# KiCad board Rogelio Pineda part 2v2-AMLDC-2044B.kicad_pcb (continued)
## Library data of the parts
C1-C5 C7-C72 = -: Description: Capacitor Common Entrex Trapezoid
C6 = -: Description: Capacitor Large Polarized for Entrex Trapezoid
CR1 = -: Description: 50V 1A General Purpose Rectifier Diode, DO-41; Sim.Device: D; Sim.Pins: 1=K 2=A
CR2 CR3 = -: Description: 50V 1A General Purpose Rectifier Diode, DO-41; Sim.Device: D; Sim.Pins: 1=K 2=A; Field6: K; Field8: K
CR4 CR5 = -: Description: 50V 1A General Purpose Rectifier Diode, DO-41; Sim.Device: D; Sim.Pins: 1=K 2=A; Field6: K; Field7: K
JP1-JP8 = -: Description: Jumper, 2-pole, open
Q1 = -: Description: Bipolar transistor symbol for simulation only, substrate tied to the emitter; Sim.Device: PNP; Sim.Pins: 1=C 2=B 3=E; Sim.Type: GUMMELPOON
R1-R51 R53-R94 = -: Description: Resistor, US symbol
UB1 UL2 = -: Description: quad 2-input NAND buffer
UB2 UD0-UD2 UD6 UE0 UJ3 UJ6 = -: Description: Triple 3-input NAND
UB3 UC1 UC4 UC8 UE6 UF6 UG7 UH1-UH3 UH6 UK2 UK7 UM5 UV7 = -: Description: quad 2-input NAND gate
UB4 UC2 UD3 UD5 UG4 UH4 UJ7 UK6 = -: Description: Dual retriggerable Monostable
UB5 UC5 UE4 UG2 UG8 UK8 UM6 UN6 = -: Description: quad 2-input NOR gate
UB6 UG1 UJ0 UL0 UL3 UM0 UM3 UP0 UP1 UP3 UR0 UR3 US0 US3 UT0 UT1 UT3 UU0 UU3 UV0 UV3 = -: Description: Quad Buffer 2-input NAND Open collector
UB7 UG6 UL6 = -: Description: Quad 2-input OR
UB8 UP7 UR7 US7 UT7 = -: Description: Divide by 2 & 8 counter
UC0 UF0 UH0 UN0 UN3 UV2 UW0 UW3 = -: Description: Hex Inverter
UC3 UC6 UC7 UD4 UD7 UD8 UE1-UE3 UF4 UF5 UF7 UG5 UH5 UH7 UJ1 UJ2 UK1 UL7 UM7 UP6 UR6 US6 UT6 UV6 = -: Description: Dual D Flip-flop, Set & Reset
UE5 UE8 UK0 = -: Description: Quad And2
UE7 UP5 UT2 = -: Description: Dual 4-input NOR gates
UF1 = -: Description: Hex inverter schmitt trigger
UF2 UP2 UW6 = -: Description: Inverter Open Collect
UF3 = -: Description: Dual 8-Bit Shift Register
UF8 UN7 = -: Description: Dual 4-input NAND
UG0 = -: Description: 8-input NAND
UG3 UU2 = -: Description: Quad 2-input XOR
UK5 = -: Description: Hex Buffers and Drivers With Open Collector High Voltage Outputs
UL1 UL4 UM1 UM4 UU1 UU4 UV1 = -: Description: 4 (3+1)-bit presettable binary counter
UL5 = -: Description: Dual 1-of-4 Decoder
UM2 UN5 = -: Description: Shift Register 8-bit, parallel load
UM8 = -: Description: Dual JK Flip-flop, Set & Reset
UN1 UN2 UN4 UR1 UR2 UR4 US1 US4 UW1 UW2 UW4 = -: Description: 4-bit Latch
UP4 = -: Description: 2-INPUT, 4-BIT DIGITAL MULTIPLEXER
UU5 = -: Description: Dual 4-input AND
UV5 UW5 = -: Description: 4-bit D Flip-Flop, reset
Y1 = -: Description: Two pin crystal

## Footprints (pads in the part's own frame, mm; a bottom-side part is the same pattern mirrored in y, then rotated)
CAP non-polarized P25.00mm
  rect 2.4x2.4 hole 1.2: 1(0,0)
  oval 2.4x2.4 hole 1.2: 2(25,0)
Crystal_HC49-U_Horizontal_1EP_style1
  round 1.5 hole 0.8: 1(0,0) 2(4.9,0)
  rect 11x13.5 smd: 3(2.45,-9.25)
D_DO-41_SOD81_P12.70mm_Horizontal
  rect 2.2x2.2 hole 1.1: 1(0,0)
  oval 2.2x2.2 hole 1.1: 2(12.7,0)
DG Nova Board Jumper 3.8mm
  rect 1.7x1.7 hole 1: 1(-1.27,0)
  oval 1.7x1.7 hole 1: 2(2.54,0)
DG Nova Board Jumper 5mm
  rect 1.7x1.7 hole 1: 1(-1.27,0)
  oval 1.7x1.7 hole 1: 2(3.81,0)
Diode for Entrex-AMLDC Board
  rect 2.2x2.2 hole 1.1: 1(0,0)
  oval 2.2x2.2 hole 1.1: 2(13.97,0)
DIP-14_W7.62mm
  rect 1.6x1.6 hole 0.8: 1(0,0)
  oval 1.6x1.6 hole 0.8: 2(0,-2.54) 3(0,-5.08) 4(0,-7.62) 5(0,-10.16) 6(0,-12.7) 7(0,-15.24) 8(7.62,-15.24) 9(7.62,-12.7) 10(7.62,-10.16) 11(7.62,-7.62) 12(7.62,-5.08) 13(7.62,-2.54) 14(7.62,0)
DIP-16_W7.62mm
  rect 1.6x1.6 hole 0.8: 1(0,0)
  oval 1.6x1.6 hole 0.8: 2(0,-2.54) 3(0,-5.08) 4(0,-7.62) 5(0,-10.16) 6(0,-12.7) 7(0,-15.24) 8(0,-17.78) 9(7.62,-17.78) 10(7.62,-15.24) 11(7.62,-12.7) 12(7.62,-10.16) 13(7.62,-7.62) 14(7.62,-5.08) 15(7.62,-2.54) 16(7.62,0)
Disc Capacitor Common Entrex Trapezoid
  round 1.6 hole 0.8: 1(-2.54,-0.215) 2(3.81,-0.215)
portA_NovaMod
  rect 7.62x1.905 smd: 1(75.755,75.755) 3(75.755,72.581) 5(75.755,69.406) 7(75.755,66.231) 9(75.755,63.056) 11(75.755,59.88) 13(75.755,56.706) 15(75.755,53.531) 17(75.755,50.355) 19(75.755,47.181) 21(75.755,44.005) 23(75.755,40.831) 25(75.755,37.656) 27(75.755,34.48) 29(75.755,31.305) 31(75.755,28.131) 33(75.755,24.956) 35(75.755,21.78) 37(75.755,18.605) 39(75.755,15.431) 41(75.755,12.255) 43(75.755,9.081) 45(75.755,5.905) 51(75.755,-3.619) 53(75.755,-6.795) 55(75.755,-9.97) 57(75.755,-13.145) 59(75.755,-16.32) 61(75.755,-19.494) 63(75.755,-22.669) 65(75.755,-25.845) 67(75.755,-29.02) 69(75.755,-32.194) 71(75.755,-35.37) 73(75.755,-38.544) 75(75.755,-41.719) 77(75.755,-44.895) 79(75.755,-48.069) 81(75.755,-51.245) 83(75.755,-54.419) 85(75.755,-57.594) 87(75.755,-60.77) 89(75.755,-63.944) 91(75.755,-67.12) 93(75.755,-70.294) 95(75.755,-73.469) 97(75.755,-76.644) 99(75.755,-79.82)
  rect 7.62x1.905 smd far side: 2(75.755,75.755) 4(75.755,72.581) 6(75.755,69.406) 8(75.755,66.231) 10(75.755,63.056) 12(75.755,59.88) 14(75.755,56.706) 16(75.755,53.531) 18(75.755,50.355) 20(75.755,47.181) 22(75.755,44.005) 24(75.755,40.831) 26(75.755,37.656) 28(75.755,34.48) 30(75.755,31.305) 32(75.755,28.131) 34(75.755,24.956) 36(75.755,21.78) 38(75.755,18.605) 40(75.755,15.431) 42(75.755,12.255) 44(75.755,9.081) 46(75.755,5.905) 52(75.755,-3.619) 54(75.755,-6.795) 56(75.755,-9.97) 58(75.755,-13.145) 60(75.755,-16.32) 62(75.755,-19.494) 64(75.755,-22.669) 66(75.755,-25.845) 68(75.755,-29.02) 70(75.755,-32.194) 72(75.755,-35.37) 74(75.755,-38.544) 76(75.755,-41.719) 78(75.755,-44.895) 80(75.755,-48.069) 82(75.755,-51.245) 84(75.755,-54.419) 86(75.755,-57.594) 88(75.755,-60.77) 90(75.755,-63.944) 92(75.755,-67.12) 94(75.755,-70.294) 96(75.755,-73.469) 98(75.755,-76.644) 100(75.755,-79.82)
  rect 7.62x1.397 smd: 47(75.755,2.985) 49(75.755,-0.699)
  rect 7.62x1.397 smd far side: 48(75.755,2.985) 50(75.755,-0.699)
portB_NovaMod
  rect 7.62x1.905 smd: 1(73.343,75.248) 3(73.343,72.073) 5(73.343,68.897) 7(73.343,65.722) 9(73.343,62.547) 11(73.343,59.373) 13(73.343,56.197) 15(73.343,53.023) 17(73.343,49.847) 19(73.343,46.672) 21(73.343,43.498) 23(73.343,40.322) 25(73.343,37.148) 27(73.343,33.972) 29(73.343,30.797) 31(73.343,27.622) 33(73.343,24.448) 39(73.343,14.922) 41(73.343,11.748) 43(73.343,8.572) 45(73.343,5.397) 47(73.343,2.223) 49(73.343,-0.953) 51(73.343,-4.128) 53(73.343,-7.303) 55(73.343,-10.477) 57(73.343,-13.652) 59(73.343,-16.828) 61(73.343,-20.003) 63(73.343,-23.177) 65(73.343,-26.352) 67(73.343,-29.527) 69(73.343,-32.703) 71(73.343,-35.877) 73(73.343,-39.053) 75(73.343,-42.227) 77(73.343,-45.403) 79(73.343,-48.578) 81(73.343,-51.752) 83(73.343,-54.928) 85(73.343,-58.102) 87(73.343,-61.278) 89(73.343,-64.453) 91(73.343,-67.627) 93(73.343,-70.802) 95(73.343,-73.978) 97(73.343,-77.153) 99(73.343,-80.328)
  rect 7.62x1.905 smd far side: 2(73.343,75.248) 4(73.343,72.073) 6(73.343,68.897) 8(73.343,65.722) 10(73.343,62.547) 12(73.343,59.373) 14(73.343,56.197) 16(73.343,53.023) 18(73.343,49.847) 20(73.343,46.672) 22(73.343,43.498) 24(73.343,40.322) 26(73.343,37.148) 28(73.343,33.972) 30(73.343,30.797) 32(73.343,27.622) 34(73.343,24.448) 40(73.343,14.922) 42(73.343,11.748) 44(73.343,8.572) 46(73.343,5.397) 48(73.343,2.223) 50(73.343,-0.953) 52(73.343,-4.128) 54(73.343,-7.303) 56(73.343,-10.477) 58(73.343,-13.652) 60(73.343,-16.828) 62(73.343,-20.003) 64(73.343,-23.177) 66(73.343,-26.352) 68(73.343,-29.527) 70(73.343,-32.703) 72(73.343,-35.877) 74(73.343,-39.053) 76(73.343,-42.227) 78(73.343,-45.403) 80(73.343,-48.578) 82(73.343,-51.752) 84(73.343,-54.928) 86(73.343,-58.102) 88(73.343,-61.278) 90(73.343,-64.453) 92(73.343,-67.627) 94(73.343,-70.802) 96(73.343,-73.978) 98(73.343,-77.153) 100(73.343,-80.328)
  rect 7.62x1.397 smd: 35(73.343,21.526) 37(73.343,17.843)
  rect 7.62x1.397 smd far side: 36(73.343,21.526) 38(73.343,17.843)
R_Axial_DIN0411_L9.9mm_D3.6mm_P12.70mm_Horizontal
  round 2.4 hole 1.2: 1(0,0)
  oval 2.4x2.4 hole 1.2: 2(12.7,0)
Resistor for Entrex-AMLDC Board
  round 2.4 hole 1.2: 1(0,0)
  oval 2.4x2.4 hole 1.2: 2(13.97,0)
Resistor for Entrex-AMLDC Board#2
  round 2.4 hole 1.2: 1(0,0)
  oval 2.4x2.4 hole 1.2: 2(14.605,0)
TO-92
  rect 1.3x1.3 hole 0.75: 1(0,0)
  round 1.3 hole 0.75: 2(1.27,1.27) 3(2.54,0)

## Nets
+5V: C5.2 C7.1 C17.2 C26.1 C37.2 C39.2 C46.1 C51.2 C52.2 C53.2 C54.2 C55.1 C65.1 C66.2 C67.1 C68.2 C70.1 J1.3 J1.4 J1.97 J1.98 J2.3 J2.4 J2.97 J2.98 R1.1 R2.1 R12.2 R13.1 R18.2 R21.1 R23.2 R24.1 R27.2 R29.2 R30.2 R31.2 R32.2 R37.2 R40.1 R44.1 R47.1 R50.1 R54.1 R55.2 R68.1 R73.1 R80.2 R81.1 R85.2 R87.2 R88.2 R93.1 R93.2 UB1.14 UB2.14 UB3.14 UB4.16 UB5.14 UB6.14 UB7.14 UB8.5 UC1.14 UC2.16 UC3.14 UC4.14 UC5.14 UC6.14 UC7.14 UC8.14 UD0.14 UD1.14 UD2.14 UD3.16 UD4.14 UD5.16 UD6.14 UD7.14 UD8.14 UE0.14 UE1.14 UE2.14 UE3.14 UE4.14 UE5.14 UE6.14 UE7.14 UE8.14 UF1.14 UF2.14 UF3.16 UF4.14 UF5.14 UF6.14 UF8.14 UG0.14 UG1.14 UG2.14 UG3.14 UG4.16 UG5.14 UG6.14 UG7.14 UG8.14 UH0.14 UH1.14 UH2.14 UH3.14 UH4.16 UH5.14 UH6.14 UH7.14 UJ0.14 UJ1.14 UJ2.14 UJ3.14 UJ6.14 UJ7.16 UK0.14 UK1.14 UK2.14 UK5.14 UK6.16 UK7.14 UK8.14 UL0.14 UL1.14 UL2.14 UL3.14 UL4.14 UL5.16 UL6.14 UL7.14 UM0.14 UM1.14 UM2.16 UM3.14 UM4.14 UM5.14 UM6.14 UM7.14 UM8.5 UN0.14 UN1.5 UN3.14 UN5.16 UN6.14 UN7.14 UP0.14 UP1.14 UP3.14 UP4.16 UP5.14 UP6.14 UR0.14 UR2.5 UR3.14 UR5.14 UR6.14 US0.14 US2.14 US3.14 US4.5 US6.14
+VINH: J1.10 J2.84
-5V: J1.6 J2.81
GND: C8.1 C13.2 C16.2 C17.1 C26.2 C30.2 C31.1 C36.1 C37.1 C38.1 C39.1 C43.2 C45.1 C51.1 C52.1 C53.1 C62.2 C64.2 C65.2 C66.1 C67.2 C68.1 C71.2 C72.2 CR1.2 CR3.2 J1.1 J1.2 J1.33 J1.34 J1.99 J1.100 J2.1 J2.2 J2.50 J2.99 J2.100 R7.2 R19.2 R20.2 R25.2 R49.2 R72.2 UB1.7 UB2.7 UB3.7 UB4.8 UB4.9 UB5.7 UB6.7 UB7.7 UB8.10 UC0.7 UC1.7 UC2.8 UC3.7 UC3.11 UC4.7 UC5.7 UC6.7 UC7.7 UC8.7 UD0.7 UD1.7 UD2.7 UD3.8 UD3.9 UD4.7 UD5.8 UD6.7 UD7.7 UD8.7 UE0.7 UE1.7 UE2.7 UE3.7 UE4.7 UE5.7 UE6.7 UE7.7 UE8.7 UF0.7 UF1.7 UF2.7 UF3.4 UF3.8 UF3.9 UF3.13 UF4.7 UF5.7 UF6.7 UF7.7 UF8.7 UG0.7 UG1.7 UG2.7 UG3.7 UG4.8 UG4.9 UG5.7 UG6.7 UG7.7 UG8.7 UH0.7 UH1.7 UH2.7 UH3.7 UH4.8 UH4.9 UH5.7 UH6.7 UH7.7 UJ0.7 UJ1.7 UJ2.7 UJ3.7 UJ6.7 UJ7.8 UK0.7 UK1.7 UK2.7 UK5.7 UK6.8 UK6.9 UK7.7 UK8.3 UL0.7 UL1.7 UL2.7 UL3.7 UL4.7 UL5.8 UL6.7 UL7.7 UM0.7 UM1.7 UM2.8 UM2.15 UM3.7 UM4.7 UM5.7 UM6.7 UM7.7 UN0.7 UN2.12 UN3.7 UN5.8 UN6.7 UN7.7 UP0.7 UP1.7 UP3.7 UP4.8 UP5.7 UP6.2 UP6.7 UP7.10 UR0.7 UR1.12 UR3.7 UR4.12 UR5.7 UR6.2 UR7.10 US0.7 US1.12 US2.7 US3.7 US4.12 US6.2 US6.7 US7.10 Y1.2
V0p1: UV0.1
V0p2: UV0.2
V0p3: UV0.3
V0p4: UV0.4
V0p5: UV0.5
V0p6: UV0.6
V0p8: UV0.8
V0p9: UV0.9
V0p10: UV0.10
V0p11: UV0.11
V0p12: UV0.12
V0p13: UV0.13
V1p1: UV1.1
V1p2: UV1.2
V1p3: UV1.3
V1p4: UV1.4
V1p5: UV1.5
V1p6: UV1.6
V1p7: UV1.7
V1p8: UV1.8
V1p9: UV1.9
V1p10: UV1.10
V1p11: UV1.11
V1p12: UV1.12
V1p13: UV1.13
V1p14: UV1.14
V2p1: UV2.1
V2p2: UV2.2
V2p3: UV2.3
V2p4: UV2.4
V2p5: UV2.5
V2p6: UV2.6
V2p8: UV2.8
V2p9: UV2.9
V2p12: UV2.12
V2p13: UV2.13
V3p1: UV3.1
V3p2: UV3.2
V3p3: UV3.3
V3p4: UV3.4
V3p5: UV3.5
V3p6: UV3.6
V3p8: UV3.8
V3p9: UV3.9
V3p10: UV3.10
V3p11: UV3.11
V3p12: UV3.12
V3p13: UV3.13
V5p1: UV5.1
V5p2: UV5.2
V5p3: UV5.3
V5p4: UV5.4
V5p5: UV5.5
V5p6: UV5.6
V5p7: UV5.7
V5p8: UV5.8
V5p9: UV5.9
V5p10: UV5.10
V5p11: UV5.11
V5p12: UV5.12
V5p13: UV5.13
V5p14: UV5.14
V5p15: UV5.15
V5p16: UV5.16
V6p1: UV6.1
V6p3: UV6.3
V6p4: UV6.4
V6p5: UV6.5
V6p6: UV6.6
V6p8: UV6.8
V6p9: UV6.9
V6p10: UV6.10
V6p11: UV6.11
V6p12: UV6.12
V6p13: UV6.13
V7p1: UV7.1
V7p2: UV7.2
V7p3: UV7.3
V7p4: UV7.4
V7p5: UV7.5
V7p6: UV7.6
V7p8: UV7.8
V7p9: UV7.9
V7p10: UV7.10
V7p11: UV7.11
V7p12: UV7.12
V7p13: UV7.13
2G5p2: UG5.2
+V TERM: J2.11 J2.13
-5 REMOTE: J2.6
/A77: J1.77 R36.1
/B49: J2.49
/C14p2: C14.2 R29.1
/C31p2: C31.2 R94.2
/C58p1: C58.1 R71.1
/C58p2: C58.2 C59.2 C60.2 C61.2
/C59p1: C59.1 R51.1
/C60p1: C60.1 R53.1
/C61p1: C61.1 R33.1
/Pad6p6: UG4.6
/Pad14p14: C12.2 UG4.14
/Pad15p15: C12.1 UG4.15
/Pad77: R35.2
/R9p2: C43.1 R9.2
/R10p2: R10.2
/R13p2: C15.1 R13.2
/R34P1: R15.1 R16.1 R34.1 R35.1
/R50P2: C28.2 CR3.1
/R56P2: R17.2 R36.2 R56.2 R92.2
/UG4A: UG4.7
B1p1: UB1.1
B1p2: C45.2 R38.2 UB1.2
B1p3: UB1.3 UD1.4 UE1.3
B1p4: UB1.4
B1p5: UB1.5
B1p6: UB1.6
B1p8: UB1.8
B1p9: C16.1 R77.2 UB1.9
B1p10: R77.1 UB1.10
B1p11: UB1.11
B1p12: UB1.12 UD1.8
B1p13: UB1.13 UD1.12
B2p1: UB2.1
B2p2: UB2.2
B2p4: R70.1 UB2.4
B2p5: C13.1 R70.2 UB2.5
B2p6: UB2.6
B2p8: UB2.8
B2p10: C30.1 R91.2 UB2.10
B2p11: R91.1 UB2.11
B2p12: UB2.12
B2p13: UB2.3 UB2.9 UB2.13 UD2.13
B3p1: UB3.1
B3p2: UB3.2
B3p4: UB3.4
B3p6: UB3.3 UB3.5 UB3.6
B3p8: UB3.8 UB3.9 UB3.12 UB3.13
B3p10: UB3.10 UB3.11
B4p1: UB4.1 UB4.5 UC4.9
B4p2: UB4.2
B4p3: UB4.3
B4p4: UB4.4
B4p6: C42.1 UB4.6
B4p7: C42.2 UB4.7
B4p10: UB4.10 UD4.9
B4p11: UB4.11
B4p12: UB4.12
B4p13: UB4.13
B4p14: C41.2 UB4.14
B4p15: C41.1 UB4.15
B5p1: UB5.1 UD5.1
B5p2: UB5.2 UC5.13
B5p3: UB5.3
B5p4: UB5.4
B5p6: UB5.6
B5p8: UB5.8
B5p9: UB5.9
B5p10: UB5.5 UB5.10
B5p11: UB5.11
B5p12: UB5.12
B5p13: UB5.13
B6p1: UB6.1
B6p3: UB6.3
B6p4: UB6.4
B6p5: UB6.5
B6p6: UB6.6 UB6.9
B6p8: UB6.8
B6p11: UB6.2 UB6.11
B6p12: UB6.12
B6p13: UB6.13
B7p1: UB7.1
B7p2: UB7.2
B7p3: UB7.3
B7p4: UB7.4
B7p5: UB7.5
B7p6: UB7.6
B7p8: UB7.8
B7p9: UB7.9
B7p10: UB7.10
B7p11: UB7.11
B7p12: UB7.12
B7p13: UB7.13
B8p2: UB8.2
B8p3: UB8.3
B8p8: UB8.8
B8p9: UB8.9
B8p12: UB8.1 UB8.12
B8p14: UB8.14
B15: J2.15
B19: J2.19
B23: J2.23
B25: J2.25
B27: J2.27
C0p1: UC0.1
C0p2: UC0.2
C0p3: UC0.3
C0p4: UC0.4
C0p5: R19.1 UC0.5
C0p6: UC0.6
C0p8: UC0.8
C0p9: CR1.1 R49.1 UC0.9
C0p10: UC0.10
C0p11: UC0.11
C0p12: UC0.12
C0p13: UC0.13
C1p1: UC1.1
C1p2: UC1.2
C1p3: UC1.3
C1p4: UC1.4
C1p5: UC1.5
C1p6: UC1.6
C1p8: UC1.8
C1p9: UC1.9
C1p10: UC1.10
C1p11: UC1.11
C1p12: UC1.12
C1p13: UC1.13
C2p1: UC2.1
C2p2: UC2.2
C2p3: UC2.3
C2p4: UC2.4
C2p5: UC2.5
C2p6: C15.2 UC2.6
C2p7: UC2.7
C2p10: UC2.10
C2p11: UC2.11
C2p12: UC2.12
C2p13: UC2.9 UC2.13
C2p14: C29.2 UC2.14
C2p15: UC2.15
C3p1: UC3.1
C3p3: UC3.3
C3p4: UC3.4
C3p5: UC3.5 UE3.12
C3p6: UC3.6
C3p8: UC3.8
C3p9: UC3.2 UC3.9
C3p10: UC3.10
C3p12: UC3.12
C3p13: UC3.13
C4p1: UC4.1
C4p3: UC4.3 UD4.2
C4p4: UC4.4
C4p5: UC4.5 UD4.11
C4p6: UC4.6
C4p8: UC4.8
C4p10: UC4.10
C4p11: UC4.11
C4p12: UC4.12
C4p13: UC4.2 UC4.13
C5p1: UC5.1
C5p2: UC5.2
C5p3: UC5.3 UD5.5
C5p4: UC5.4 UD5.2 UD5.10
C5p5: UC5.5
C5p6: UC5.6
C5p8: UC5.8
C5p9: UC5.9
C5p10: UC5.10
C5p11: UC5.11
C5p12: UC5.12
C6p1: UC6.1
C6p2: UC6.2
C6p3: UC6.3
C6p4: UC6.4
C6p5: UC6.5
C6p6: UC6.6
C6p8: UC6.8
C6p9: UC6.9
C6p10: UC6.10
C6p11: UC6.11
C6p12: UC6.12
C6p13: UC6.13
C7p1: UC7.1
C7p2: UC7.2
C7p4: UC7.4
C7p5: UC7.5 UD7.2
C7p6: UC7.6
C7p8: UC7.8
C7p9: UC7.9
C7p10: UC7.10
C7p11: UC7.11 UD7.3
C7p12: UC7.3 UC7.12
C7p13: UC7.13
C8p1: UC8.1
C8p2: UC8.2
C8p3: UC8.3
C8p4: UC8.4
C8p5: UC8.5 UD8.5
C8p6: UC8.6
C8p8: UC8.8 UD8.11
C8p9: UC8.9
C8p10: UB8.11 UC8.10
C8p11: UC8.11
C8p12: UC8.12
C8p13: UC8.13
CLK RDR: J2.38
CLR: J1.50
D0p1: UD0.1
D0p2: UD0.2
D0p3: R71.2 UD0.3
D0p4: UD0.4
D0p6: UD0.6
D0p8: UD0.8
D0p9: UD0.5 UD0.9 UD0.13 UE0.9 UE0.13
D0p10: UD0.10
D0p11: UD0.11
D0p12: UD0.12
D1p1: UD1.1
D1p2: UD1.2
D1p3: UD1.3 UE1.2 UF1.4
D1p6: UD1.6
D1p9: UD1.5 UD1.9 UE1.5 UG1.4
D1p10: UD1.10
D1p11: UD1.11
D1p13: UD1.13
D2p1: UD2.1
D2p2: C44.1 UD2.2
D2p3: UD2.3
D2p4: UD2.4
D2p5: UD2.5 UG2.11
D2p6: UD2.6
D2p8: UD2.8
D2p9: UD2.9
D2p10: UD2.10
D2p11: UD2.11
D2p12: UD2.12
D3p1: UD3.1
D3p2: UD3.2
D3p3: UD3.3
D3p5: UD3.5
D3p6: C27.1 UD3.6
D3p7: C27.2 UD3.7
D3p10: UD3.4 UD3.10
D3p11: UD3.11
D3p12: UD3.12
D3p13: UD3.13
D3p14: C25.2 UD3.14
D3p15: C25.1 UD3.15
D4p1: UD4.1
D4p3: UD4.3
D4p4: UD4.4
D4p5: UD4.5
D4p6: UD4.6
D4p8: UD4.8
D4p10: UD4.10
D4p12: UD4.12
D4p13: UD4.13
D5p3: UD5.3
D5p4: UD5.4
D5p6: C24.2 UD5.6
D5p7: C24.1 UD5.7
D5p9: UD5.9
D5p11: UD5.11
D5p12: UD5.12
D5p13: UD5.13
D5p14: C40.1 UD5.14
D5p15: UD5.15
D6p1: UD6.1
D6p2: UD6.2
D6p3: UD6.3
D6p4: UD6.4
D6p5: UD6.5
D6p6: UD6.6
D6p8: UD6.8
D6p9: UD6.9
D6p10: UD6.10
D6p11: UD6.11
D6p12: UD6.12
D6p13: UD6.13
D7p1: UD7.1
D7p4: UD7.4
D7p5: UD7.5 UE7.9
D7p6: UD7.6
D7p8: UD7.8
D7p9: UD7.9
D7p10: UD7.10 UE7.8
D7p11: UD7.11
D7p12: UD7.12
D7p13: UD7.13
D8p1: UD8.1
D8p3: UD8.3
D8p4: UD8.4
D8p6: UD8.6
D8p8: UD8.8
D8p9: UD8.2 UD8.9
D8p10: UD8.10
D8p12: UD8.12
D8p13: UD8.13
DATA RDR: J2.36
DATIA: J1.44
DATIB: J1.42
DATIC: J1.54
DATOA: J1.58
DATOB: J1.56
DATOC: J1.48
DCHI: J2.37
DCHO: J2.33
DISK0: J1.69
DISK0 ACT: J1.61
DISK1: J1.85
DISK2: J1.81 R16.2
DISK NEW REQ: J1.59
DISK PRES REQ: J1.57
DISK WR DATA: J1.63 J1.71
DSK SEL: J1.67
DSK ~{RST}: J1.75 R17.1
E0p1: UE0.1
E0p2: UE0.2
E0p3: R53.2 UE0.3
E0p4: UE0.4
E0p5: UE0.5
E0p6: UE0.6 UF0.9
E0p8: UE0.8
E0p10: UE0.10
E0p11: R51.2 UE0.11
E0p12: UE0.12
E1p1: UE1.1
E1p4: UE1.4
E1p6: UE1.6
E1p8: UE1.8 UG1.9
E1p9: UE1.9
E1p10: UE1.10
E1p11: UE1.11
E1p12: UE1.12
E1p13: UE1.13
E2p1: UE2.1
E2p2: UE2.2
E2p3: UE2.3
E2p4: UE2.4
E2p5: UE2.5
E2p6: UE2.6
E2p8: UE2.8
E2p9: UE2.9
E2p10: UE2.10
E2p11: UE2.11
E2p12: UE2.12
E2p13: UE2.13
E3p1: UE3.1
E3p2: UE3.2 UG3.3
E3p3: UE3.3
E3p5: UE3.5
E3p6: UE3.6
E3p8: UE3.8
E3p9: UE3.9
E3p10: UE3.10
E3p11: UE3.11
E3p13: UE3.13
E4p1: UE4.1
E4p2: UE4.2
E4p3: UE4.3
E4p4: UE4.4 UF4.13
E4p5: UE4.5
E4p6: UE4.6 UG4.5
E4p8: UE4.8
E4p9: UE4.9
E4p10: UE4.10
E4p11: UE4.11
E4p12: UE4.12
E4p13: UE4.13
E5p1: UE5.1
E5p2: UE5.2
E5p3: UE5.3
E5p4: UE5.4 UF5.6
E5p6: UE5.6
E5p8: UE5.8
E5p9: UE5.9 UF5.2 UF5.8
E5p10: UE5.10 UF5.5 UF5.12
E5p11: UE5.11 UH5.13
E5p12: UE5.12
E5p13: UE5.13
E6p1: UE6.1
E6p2: UE6.2 UF6.2
E6p3: UE6.3
E6p4: UE6.4
E6p6: UE6.6
E6p8: UE6.8
E6p9: UE6.9
E6p10: UE6.10
E6p11: UE6.5 UE6.11
E6p12: UE6.12
E6p13: UE6.13 UF6.13
E7p1: UE7.1
E7p2: UE7.2
E7p4: UE7.4
E7p5: UE7.5
E7p6: UE7.6
E7p10: UE7.10
E7p12: UE7.12
E7p13: UE7.13
E8p1: UE8.1
E8p2: UE8.2
E8p3: UE8.3
E8p4: UE8.4 UF8.12
E8p5: UE8.5 UF8.9
E8p6: UE8.6
E8p8: UE8.8
E8p9: UE8.9
E8p10: UE8.10
E8p11: UE8.11
E8p12: UE8.12
E8p13: UE8.13
Entrex Backplane S01B53 to S13B53: J2.53
F0p1: UF0.1
F0p2: UF0.2 UG0.3 UG0.12
F0p3: UF0.3
F0p4: UF0.4 UG0.11
F0p5: UF0.5
F0p6: UF0.6
F0p8: UF0.8
F0p10: UF0.10
F0p11: UF0.11
F0p12: UF0.12
F0p13: UF0.13
F1p1: UF1.1
F1p2: UF1.2 UG1.10 UG1.12
F1p3: UF1.3
F1p5: UF1.5
F1p6: UF1.6 UG1.5
F1p8: UF1.8
F1p9: UF1.9
F1p10: UF1.10
F1p11: UF1.11
F1p12: UF1.12
F1p13: UF1.13
F2p1: UF2.1
F2p2: UF2.2
F2p3: UF2.3 UF2.12
F2p4: UF2.4
F2p5: UF2.5
F2p6: UF2.6
F2p8: UF2.8
F2p9: UF2.9
F2p10: UF2.10
F2p11: UF2.11
F2p13: UF2.13
F3p1: UF3.1
F3p2: UF3.2
F3p5: UF3.5
F3p10: UF3.7 UF3.10
F3p12: UF3.12
F3p15: UF3.15
F4p1: UF4.1
F4p3: UF4.3 UG4.2 UG4.12
F4p4: UF4.4
F4p5: UF4.5
F4p6: UF4.6
F4p8: UF4.8
F4p9: UF4.9
F4p10: UF4.10
F4p11: UF4.11 UG4.4
F4p12: UF4.2 UF4.12
F5p4: UF5.4
F5p9: UE5.5 UF5.9
F5p10: UF5.10
F5p11: UF5.3 UF5.11
F5p13: UF5.1 UF5.13 UH5.9
F6p1: UF6.1
F6p3: UF6.3
F6p4: UF6.4
F6p6: UF6.6
F6p8: UF6.8
F6p9: UF6.9
F6p10: UF6.10
F6p11: UF6.5 UF6.11
F6p12: UF6.12
F7p1: UF7.1
F7p2: UF7.2 UH7.2
F7p3: UF7.3 UG7.2 UH7.8
F7p4: UF7.4
F7p5: UF7.5
F7p6: UF7.6
F7p8: UF7.8
F7p9: UF7.9
F7p10: UF7.10
F7p11: UF7.11
F7p12: UF7.12
F7p13: UF7.13
F8p1: UF8.1
F8p2: UF8.2
F8p4: UF8.4
F8p5: UF8.5
F8p6: UF8.6
F8p8: UF8.8
F8p10: UF8.10
F8p13: UF8.13
G0p1: UG0.1
G0p2: JP6.1 UG0.2
G0p4: UG0.4
G0p5: JP3.1 UG0.5
G0p6: JP2.1 UG0.6
G0p8: UG0.8
G1p1: UG1.1
G1p2: UG1.2 UG1.13
G1p3: UG1.3
G1p6: UG1.6
G1p8: UG1.8
G1p11: UG1.11
G2p1: UG2.1 UJ2.1 UK2.13
G2p2: UG2.2 UG2.3 UG2.5 UK2.8
G2p4: UG2.4
G2p6: UG2.6 UH2.8
G2p8: UG2.8
G2p9: UG2.9
G2p10: UG2.10
G2p12: UG2.12
G2p13: UG2.13
G3p2: UG3.2 UH3.13
G3p4: UG3.4
G3p5: UG3.5
G3p6: UG3.6
G3p8: UF3.6 UG3.8
G3p9: UG3.9 UH3.8
G3p10: UG3.10
G3p11: UF3.11 UG3.11
G3p12: UF3.3 UG3.12
G5p1: UG5.1
G5p3: UG5.3
G5p4: UG5.4
G5p5: UG5.5
G5p6: UG5.6
G5p9: UG5.9
G5p10: UG5.10
G5p11: UG5.11
G5p12: UG5.12
G5p13: UG5.8
G6p1: UG6.1 UH6.1
G6p2: UG6.2 UH6.2 UJ6.11
G6p3: UG6.3 UH6.12
G6p4: UG6.4
G6p5: UG6.5
G6p6: UG6.6 UH6.9
G6p8: UG6.8
G6p9: UG6.9
G6p10: UG6.10
G6p11: UG6.11
G6p12: UG6.12
G6p13: UG6.13
G7p1: UG7.1
G7p3: UG7.3
G7p4: UG7.4
G7p5: UG7.5
G7p6: UG7.6
G7p8: UG7.8
G7p9: UG7.9
G7p10: UG7.10
G7p11: UG7.11
G7p12: UG7.12
G7p13: UG7.13
G8p1: UG8.1
G8p2: UG8.2
G8p3: UG8.3
G8p4: UG8.4
G8p5: UG8.5
G8p6: UG8.6
G8p8: UG8.8
G8p9: UG8.9 UG8.13
G8p10: UG8.10
G8p11: UG8.11
G8p12: UG8.12
H0p1: UH0.1
H0p2: UH0.2 UJ0.1
H0p3: UH0.3
H0p4: UH0.4
H0p5: UH0.5
H0p6: UH0.6
H0p8: JP1.2 UH0.8
H0p9: JP2.2 UH0.9
H0p10: JP3.2 UH0.10
H0p11: JP4.2 UH0.11
H0p12: JP5.2 UH0.12
H0p13: JP6.2 UH0.13
H1p1: UH1.1
H1p3: UH1.3
H1p5: UH1.5 UJ1.8
H1p6: UH1.6
H1p8: UH1.8
H1p9: UH1.9
H1p10: UH1.2 UH1.10
H1p11: UH1.4 UH1.11
H1p12: UH1.12
H1p13: UH1.13
H2p1: UH2.1
H2p2: UH2.2
H2p4: UH2.4
H2p6: UH2.6
H2p9: UH2.9
H2p10: UH2.10
H2p11: UH2.11
H2p12: UH2.3 UH2.5 UH2.12
H2p13: UH2.13
H3p1: UH3.1
H3p2: UH3.2
H3p3: UH3.3
H3p4: UH3.4
H3p5: UH3.5
H3p9: UH3.6 UH3.9
H3p10: UH3.10
H3p11: UH3.11
H3p12: UH3.12 UJ3.13
H4p1: UH4.1
H4p2: UH4.2
H4p3: UH4.3
H4p4: UH4.4
H4p5: UH4.5
H4p6: C11.1 UH4.6
H4p7: C11.2 R67.1 UH4.7
H4p10: UH4.10
H4p11: UH4.11
H4p12: UG4.10 UH4.12
H4p13: UH4.13
H4p14: C56.2 UH4.14
H4p15: C56.1 UH4.15
H5p1: UH5.1
H5p2: UH5.2
H5p3: UH5.3
H5p4: UH5.4
H5p5: UH5.5
H5p6: UH5.6
H5p8: UH5.8
H5p10: UH5.10
H5p11: UH5.11
H5p12: UH5.12
H6p3: UH6.3
H6p4: UH6.4
H6p5: UH6.5
H6p6: UH6.6
H6p8: UH6.8
H6p10: UH6.10
H6p11: UH6.11
H6p13: UH6.13
H7p1: UH7.1
H7p3: UH7.3 UJ7.12
H7p4: UH7.4
H7p6: UH7.6
H7p9: UH7.9
H7p10: UH7.10
H7p11: UH7.11
H7p12: UH7.5 UH7.12
H7p13: UH7.13
INTA: J1.40
IO PLS: J1.74
IO RST: J1.70
J0p2: UJ0.2
J0p3: UJ0.3
J0p4: UJ0.4
J0p5: UJ0.5
J0p6: UJ0.6
J0p8: UJ0.8
J0p9: UJ0.9
J0p10: UJ0.10 UJ0.13
J1p1: UJ1.1 UK1.1
J1p2: UJ1.2
J1p3: UJ1.3
J1p4: UJ1.4
J1p5: UJ1.5
J1p6: UJ1.6
J1p9: UJ1.9
J1p10: UJ1.10
J1p11: UJ1.11
J1p12: UJ1.12
J1p13: UJ1.13 UL1.13 UM1.13
J2p2: UJ2.2
J2p3: UJ2.3
J2p4: UJ2.4 UK2.12
J2p6: UJ2.6
J2p8: UJ2.8
J2p9: UJ2.9
J2p10: UJ2.10
J2p11: UJ2.11
J2p12: UJ2.5 UJ2.12
J2p13: UJ2.13
J3p1: UJ3.1
J3p2: UJ3.2
J3p3: UF3.14 UG3.1 UG3.13 UJ3.3
J3p4: UJ3.4
J3p5: UJ3.5
J3p6: UJ3.6
J3p8: UJ3.8
J3p9: UJ3.9
J3p10: UJ3.10
J3p11: UJ3.11
J3p12: UJ3.12
J6p1: UJ6.1
J6p2: UJ6.2
J6p3: UJ6.3
J6p4: UJ6.4
J6p5: UJ6.5
J6p6: UJ6.6
J6p8: UJ6.8
J6p9: UJ6.9
J6p10: UJ6.10
J6p12: UJ6.12
J6p13: UJ6.13
J7p1: UJ7.1
J7p2: UJ7.2
J7p3: UJ7.3
J7p4: UJ7.4
J7p5: UJ7.5
J7p6: C47.2 UJ7.6
J7p7: UJ7.7
J7p9: UJ7.9
J7p10: UJ7.10
J7p11: UJ7.11
J7p13: UJ7.13
J7p14: UJ7.14
J7p15: UJ7.15
K0p1: C57.1 UK0.1
K0p2: UK0.2
K0p3: UK0.3
K0p4: UK0.4
K0p5: C64.1 UK0.5
K0p6: UK0.6
K0p8: UK0.8
K0p9: UK0.9
K0p10: C72.1 UK0.10
K0p11: UK0.11
K0p12: UK0.12
K0p13: UK0.13
K1p3: UK1.3
K1p4: UK1.4
K1p5: UK1.5
K1p6: UK1.6
K1p8: UK1.8
K1p9: UK1.2 UK1.9
K1p10: UK1.10
K1p11: UK1.11
K1p12: UK1.12
K1p13: UK1.13
K2p1: UK2.1
K2p2: UK2.2
K2p3: UK2.3
K2p4: UK2.4
K2p5: UK2.5
K2p6: UK2.6
K2p9: UK2.9
K2p10: UK2.10
K2p11: UK2.11 UL2.12
K5p1: UK5.1 UL5.4
K5p2: UK5.2
K5p3: UK5.3 UL5.6
K5p4: UK5.4
K5p5: UK5.5 UL5.7
K5p6: UK5.6
K5p8: UK5.8
K5p9: UK5.9
K5p10: UK5.10
K5p11: UK5.11
K5p12: UK5.12
K5p13: UK5.13 UL5.5
K6p1: UK6.1
K6p2: UK6.2
K6p3: UK6.3
K6p4: UK6.4
K6p5: UK6.5
K6p6: C49.2 UK6.6
K6p7: C49.1 UK6.7
K6p10: UK6.10
K6p11: UK6.11
K6p12: UK6.12
K6p13: UK6.13
K6p14: C50.1 UK6.14
K6p15: C50.2 UK6.15
K7p1: UK7.1
K7p2: UK7.2
K7p5: UK7.5
K7p6: UK7.6
K7p8: UK7.8
K7p9: UK7.9 UL7.8
K7p10: UK7.10
K7p11: UK7.11
K7p12: UK7.12
K7p13: UK7.4 UK7.13
K8p1: UK8.1 UM8.9 UM8.12
K8p2: UK8.2
K8p4: UK8.4 UM8.6
K8p5: UK8.5
K8p6: UK8.6
K8p8: UK8.8
K8p9: UK8.9
K8p10: UK8.10
K8p11: UK8.11
K8p12: UK8.12
K8p13: UK8.13
L0p1: UL0.1
L0p3: UL0.3 UM0.3 UN0.13 UP0.3 UR0.3
L0p4: UL0.4
L0p6: UL0.6 UM0.6 UN0.5 UP0.6 UR0.6
L0p8: UL0.8 UM0.8 UN0.9 UP0.8 UR0.8
L0p9: UL0.9
L0p10: UL0.5 UL0.10
L0p11: UL0.11 UM0.11 UN0.11 UP0.11 UR0.11
L0p12: UL0.12
L0p13: UL0.2 UL0.13
L1p1: UL1.1
L1p2: UL1.2
L1p3: UL1.3 UM1.3 UN1.2
L1p4: UM1.11
L1p5: UL1.5
L1p6: UL1.6
L1p8: UL1.8
L1p9: UL1.9
L1p10: UL1.10 UM1.10 UN1.6
L1p11: UL1.11 UN1.3
L1p12: UL1.12
L2p1: UL2.1
L2p2: UL2.2
L2p3: UL2.3 UM2.1
L2p4: UL2.4
L2p5: UL2.5
L2p8: UL2.8
L2p9: UL2.9
L2p10: UL2.10
L2p11: UL2.11
L2p13: UL2.13
L3p1: UL3.1
L3p3: UL3.3 UM3.3 UN3.13 UP3.3 UR3.3
L3p4: UL3.4
L3p6: UL3.6 UM3.6 UN3.5 UP3.6 UR3.6
L3p8: UL3.8 UM3.8 UN3.9 UP3.8 UR3.8
L3p9: UL3.9
L3p10: UL3.5 UL3.10
L3p11: UL3.11 UM3.11 UN3.11 UP3.11 UR3.11
L3p12: UL3.12
L3p13: UL3.2 UL3.13
L4p1: UL4.1
L4p2: UL4.2
L4p3: UL4.3 UM4.3 UN4.2 UP4.15
L4p4: UL4.4 UM4.4 UN4.7 UP4.6
L4p5: UL4.5
L4p6: UL4.6
L4p8: UL4.8
L4p9: UL4.9
L4p10: UL4.10 UM4.10 UN4.6 UP4.10
L4p11: UL4.11 UM4.11 UN4.3
L4p12: UL4.12
L4p13: UL4.13 UM4.13
L5p1: UL5.1
L5p2: UL5.2
L5p3: UL5.3
L5p9: UL5.9
L5p10: UL5.10
L5p11: UL5.11
L5p12: UL5.12
L5p13: UL5.13
L5p14: UL5.14
L5p15: UL5.15
L6p1: UL6.1
L6p3: UL6.3
L6p4: UL6.4
L6p6: UL6.6
L6p8: UL6.8
L6p10: UL6.10
L6p11: UL6.11
L6p12: UL6.2 UL6.5 UL6.9 UL6.12
L6p13: UL6.13
L7p1: UL7.1 UM7.1 UM7.13
L7p2: UL7.2
L7p4: UL7.4
L7p5: UL7.5
L7p6: UL7.6 UN7.11
L7p9: UL7.9
L7p10: UL7.10
L7p11: UL7.11
L7p12: UK7.3 UL7.12
L7p13: UL7.13
M0p1: UM0.1
M0p4: UM0.4
M0p9: UM0.9
M0p10: UM0.5 UM0.10
M0p12: UM0.12
M0p13: UM0.2 UM0.13
M1p1: UM1.1
M1p2: UM1.2
M1p5: UM1.5
M1p6: UM1.6
M1p8: UM1.8
M1p9: UM1.9
M1p12: UM1.12
M2p2: UM2.2
M2p3: UM2.3
M2p4: UM2.4
M2p5: UM2.5
M2p6: UM2.6
M2p7: UM2.7
M2p9: UM2.9
M2p10: UM2.10
M2p11: UM2.11
M2p12: UM2.12
M2p13: UM2.13
M2p14: UM2.14
M3p1: UM3.1
M3p4: UM3.4
M3p9: UM3.9
M3p10: UM3.5 UM3.10
M3p12: UM3.12
M3p13: UM3.2 UM3.13
M4p1: UM4.1
M4p2: UM4.2
M4p5: UM4.5
M4p6: UM4.6
M4p8: UM4.8
M4p9: UM4.9
M4p12: UM4.12
M5p1: UM5.1
M5p2: UM5.2
M5p3: UM5.3
M5p4: UM5.4
M5p5: UM5.5 UN5.9
M5p6: UM5.6
M5p8: UM5.8
M5p9: UM5.9
M5p10: UM5.10
M5p11: UM5.11
M5p12: UM5.12
M5p13: UM5.13
M6p1: UM6.1
M6p2: UM6.2
M6p3: UM6.3
M6p4: UM6.4
M6p5: UM6.5
M6p6: UM6.6
M6p8: UM6.8 UN6.13
M6p9: UM6.9
M6p10: UM6.10
M6p11: UM6.11
M6p12: UM6.12
M6p13: UM6.13
M7p2: UM7.2
M7p3: UL7.3 UM7.3 UM7.11
M7p4: UM7.4
M7p5: UM7.5
M7p6: UM7.6 UN7.10
M7p8: UM7.8 UN7.9
M7p9: UM7.9
M7p10: UM7.10
M7p12: UM7.12
M8p1: UM8.1
M8p2: UM8.2
M8p3: UM8.3
M8p4: UM8.4
M8p8: UM8.8
M8p10: UM8.10
M8p11: UM8.11
M8p14: UM8.14
M8p15: UM8.15
M8p16: UM8.16
N0p1: UN0.1
N0p2: UN0.2
N0p3: UN0.3
N0p4: UN0.4 UP0.5 UP0.10
N0p6: UN0.6
N0p8: UN0.8
N0p10: UN0.10
N0p12: UN0.12
N1p1: UN1.1
N1p4: UN1.4 UN1.13
N1p7: UL1.4 UM1.4 UN1.7
N1p8: UN1.8
N1p9: UN1.9
N1p10: UN1.10
N1p11: UN1.11
N1p12: UN1.12
N1p14: UN1.14
N1p15: UN1.15
N1p16: UN1.16
N2p1: UN2.1
N2p2: UN2.2
N2p3: UN2.3
N2p5: C69.1 UN2.5 UP2.14
N2p6: UN2.6
N2p7: UN2.7
N2p8: UN2.8
N2p9: UN2.9 UR2.7
N2p10: UN2.10 UR2.6
N2p11: UN2.11
N2p13: UN2.4 UN2.13
N2p14: UN2.14
N2p15: UN2.15 UR2.3
N2p16: UN2.16 UR2.2
N3p1: UN3.1
N3p2: UN3.2
N3p4: UN3.4
N3p6: UN3.6
N3p8: UN3.8
N3p10: UN3.10
N3p12: UN3.12
N4p1: UN4.1
N4p5: UN4.5
N4p8: UN4.8
N4p9: UN4.9
N4p10: UN4.10
N4p11: UN4.11
N4p12: C55.2 UN4.12 UP4.2 UP4.5 UP4.11 UP4.14
N4p13: UN4.4 UN4.13
N4p14: UN4.14
N4p15: UN4.15
N4p16: UN4.16
N5p1: UN5.1
N5p2: UN5.2 UR5.8
N5p3: UN5.3
N5p4: UN5.4
N5p5: UN5.5
N5p6: UN5.6
N5p7: UN5.7
N5p10: UN5.10
N5p11: UN5.11
N5p12: UN5.12
N5p13: UN5.13
N5p14: UN5.14
N5p15: UN5.15
N6p1: UN6.1
N6p3: UN6.3
N6p4: UN6.4
N6p5: UN6.5
N6p6: UN6.6
N6p8: UN6.8
N6p9: UN6.9
N6p10: UN6.2 UN6.10
N6p11: UN6.11
N6p12: UN6.12
N7p1: UN7.1
N7p2: UN7.2
N7p4: UN7.4
N7p5: UN7.5
N7p6: UN7.6
N7p8: UN7.8
N7p12: UN7.12
N7p13: UN7.13
OS2: J1.90
OVFLO: J2.39
P0p1: UP0.1
P0p4: UP0.4
P0p12: UP0.12
P0p13: UP0.2 UP0.13
P1p3: UP1.3
P1p5: UP1.5
P1p6: UP1.6
P1p8: UP1.8
P1p9: UP1.9
P1p10: UP1.10
P1p11: UP1.11
P1p12: UP1.2 UP1.4 UP1.12
P1p13: UP1.1 UP1.13
P2p1: UP2.1
P2p2: UP2.2
P2p3: UP2.3
P2p4: UP2.4
P2p5: UP2.5 UR2.10
P2p6: UP2.6
P2p8: UP2.8
P2p9: UP2.9
P2p10: UP2.10
P2p11: UP2.11
P2p12: UP2.12
P2p13: UP2.13
P3p1: UP3.1
P3p4: UP3.4
P3p9: UP3.9
P3p10: UP3.5 UP3.10
P3p12: UP3.12
P3p13: UP3.2 UP3.13
P5p1: UP5.1
P5p2: UP5.2
P5p4: UP5.4
P5p5: UP5.5
P5p6: UP5.6
P5p8: UP5.8
P5p9: UP5.9
P5p10: UP5.10
P5p12: UP5.12
P5p13: UP5.13
P6p1: UP6.1 UR6.1 US6.1
P6p3: UP6.3
P6p4: UP6.4
P6p6: UP6.6
P6p8: UP6.8
P6p9: UP6.9
P6p10: UP6.10
